# Allegro board Single PMT Data AcquisitionV_3P3.brd (continued)
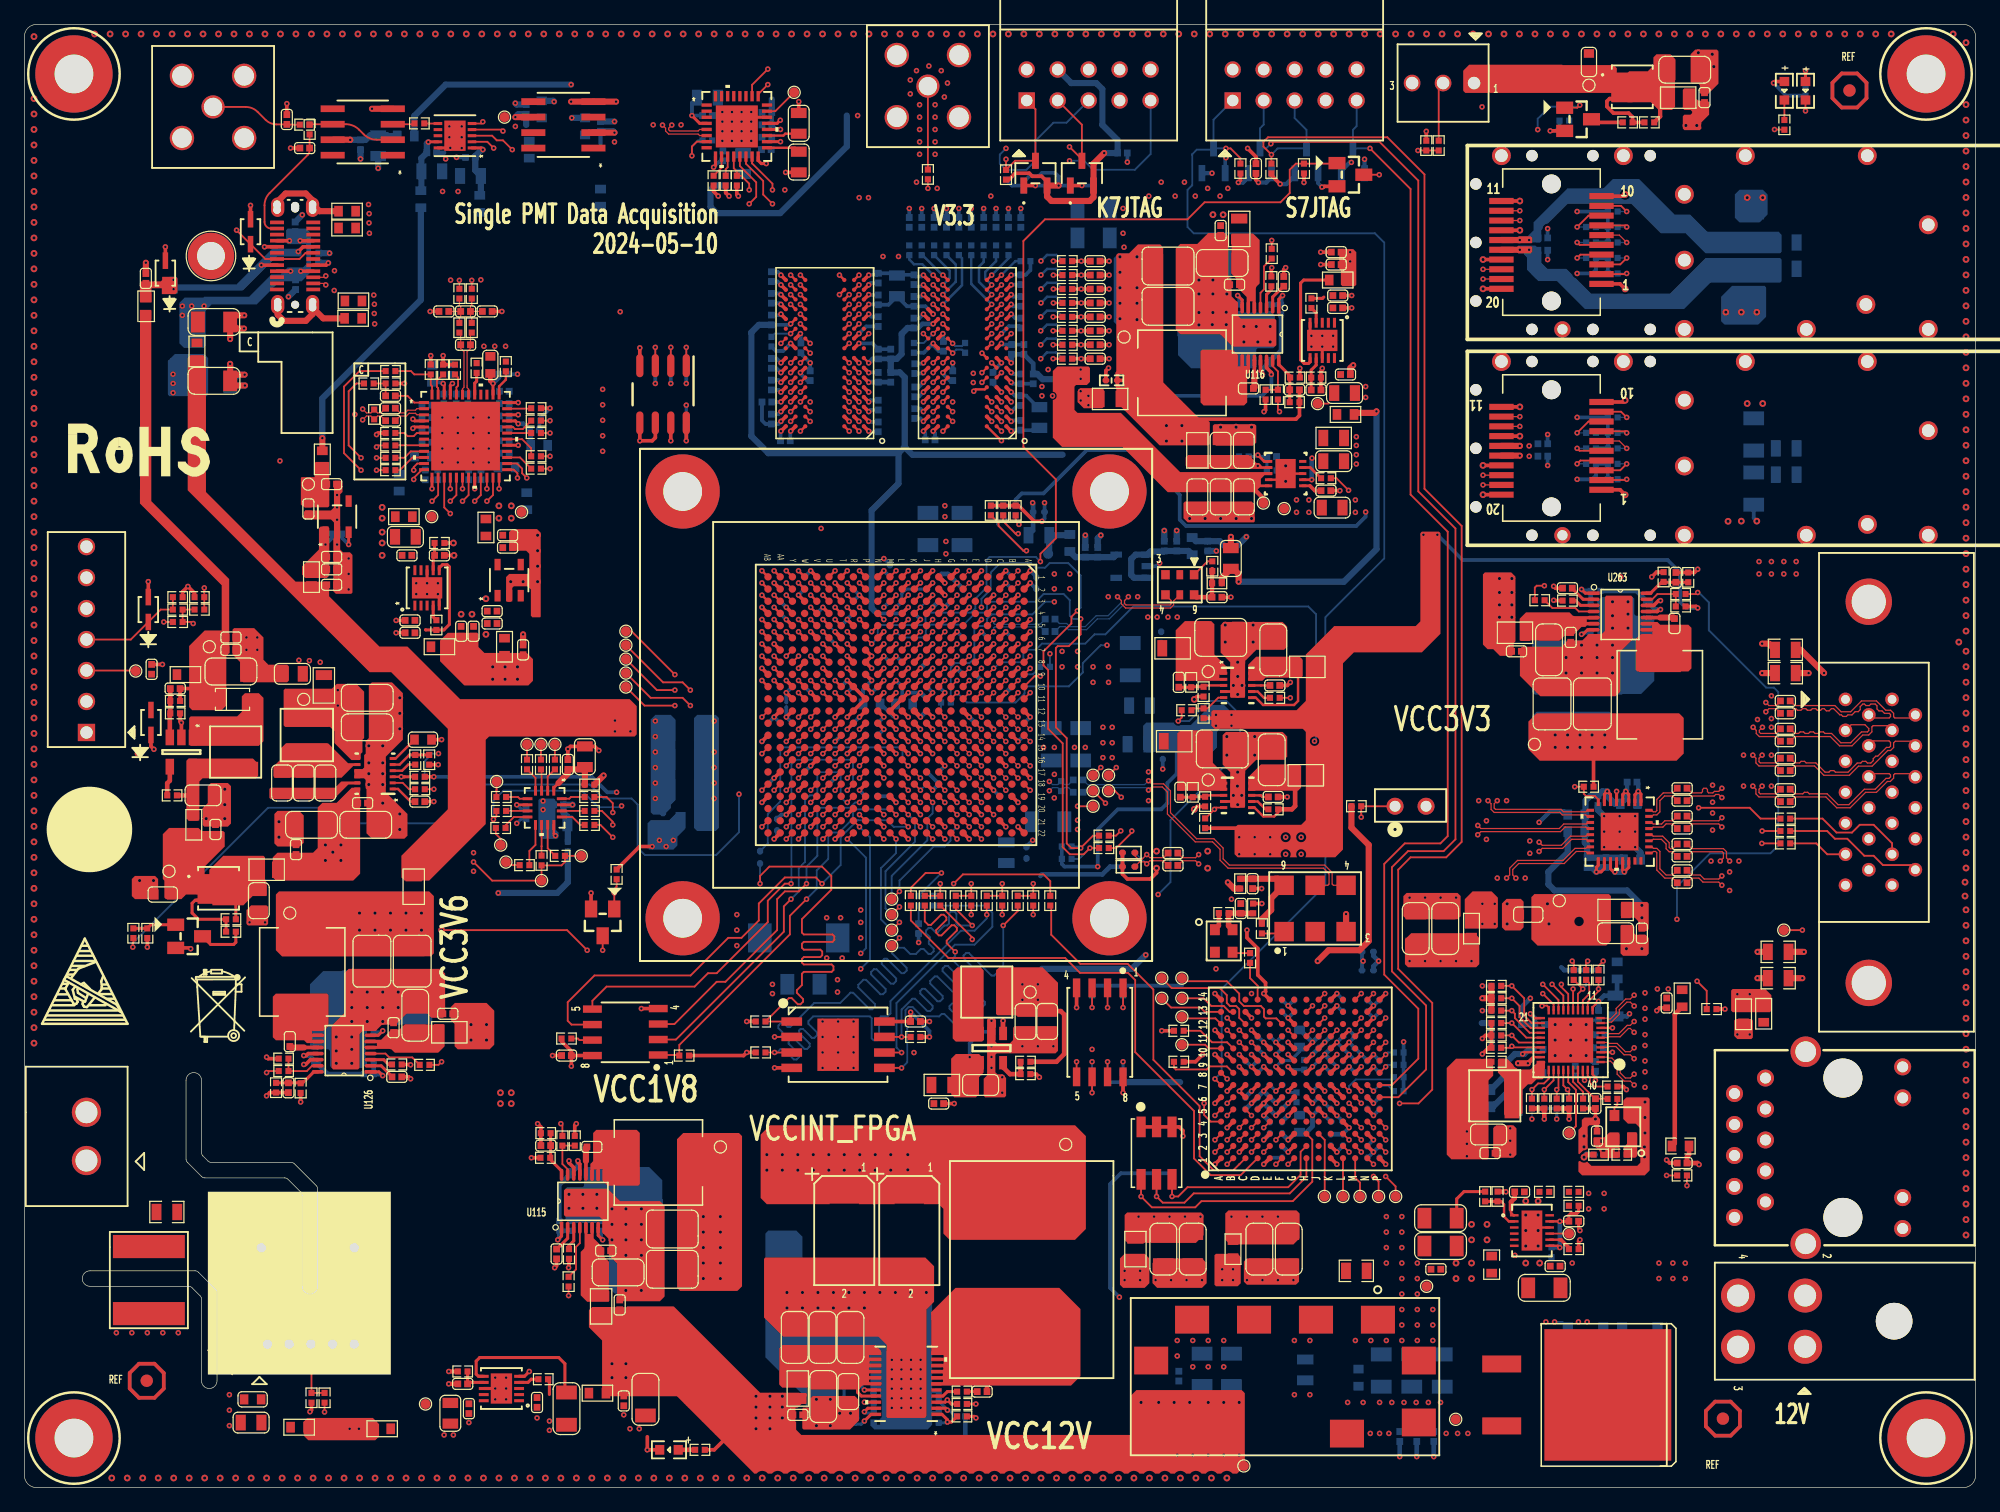
[diagram p0: board, top side]
## Routing (per net, layer and track width the routed paths; a pad name or vN(x,y) marks a point on that pad's centre or on a via; arc(x,y) is an arc through that point) (continued)
TIMING_SPI_CSN_N: length 80.4
  TOP w0.102: v1(142.52,62.36) 142.27,62.1 142.27,61.95 142.37,61.85 143.62,61.85 C2454.2 ; U1.F16 v1(77.48,59.19)
  ART08 w0.102: v1(142.52,62.36) 142.34,62.18 142.34,61.85 141.86,61.37 141.22,61.37 139.3,59.45 133.68,59.45 133.41,59.18 132.57,59.18 132.3,59.45 131.65,59.45 131.38,59.18 125.28,59.18 121.01,63.45 103.98,63.45 102.36,65.06 102.36,66.35 100.57,68.15 99.01,68.15 97.31,66.45 85.89,66.45 83.91,64.47 83.47,64.47 83.36,64.57 79.86,64.57 79.2,63.91 78.63,63.91 78.08,63.36 78.08,63.32 78.08,63.31 78.08,59.86 77.81,59.59 77.58,59.59 77.48,59.49 v1(77.48,59.19)
TIMING_SPI_CSN_P: length 80.2
  TOP w0.102: v1(141.76,62.36) 142.01,62.1 142.01,61.85 142.26,61.59 143.62,61.59 C2453.2 ; U1.F15 v1(77.48,60.19)
  ART08 w0.102: v1(77.48,60.19) 77.48,59.9 77.58,59.79 77.72,59.79 77.88,59.95 77.88,63.44 78.55,64.11 79.11,64.11 79.77,64.77 83.36,64.77 83.47,64.87 83.74,64.87 85.72,66.85 97.14,66.85 98.84,68.55 100.74,68.55 102.77,66.52 102.77,65.23 104.15,63.86 121.18,63.86 125.45,59.59 131.21,59.59 131.48,59.86 132.47,59.86 132.74,59.59 133.25,59.59 133.51,59.86 139.13,59.86 141.06,61.78 141.69,61.78 141.94,62.02 141.94,62.18 v1(141.76,62.36)
TIMING_SPI_MISO_N: length 76.2
  TOP w0.102: C2458.2 143.62,56.9 142.34,56.9 142.24,57 142.24,57.28 v1(142.49,57.53) ; U1.B13 v1(81.48,62.19)
  ART08 w0.102: v1(81.48,62.19) 81.18,62.19 81.08,62.29 81.08,62.44 81.24,62.6 83.41,62.6 83.88,62.13 87.15,62.13 88.29,63.27 94.97,63.27 97.69,60.55 102.07,60.55 103.34,59.28 120.42,59.28 127.49,52.21 127.49,50.76 128.59,49.66 133.96,49.66 135.26,50.95 138.99,52.83 139,52.83 142.32,56.15 142.32,57.35 v1(142.49,57.53)
TIMING_SPI_MISO_P: length 77.7
  TOP w0.102: C2457.2 143.62,56.64 142.24,56.64 141.99,56.89 141.99,57.28 v1(141.73,57.53) ; U1.C13 v1(80.48,62.19)
  ART08 w0.102: v1(80.48,62.19) 80.77,62.19 80.88,62.29 80.88,62.52 81.15,62.8 83.78,62.8 84.05,62.53 86.98,62.53 88.12,63.68 89.15,63.68 89.25,63.78 89.56,63.78 89.66,63.68 89.96,63.68 90.07,63.78 90.37,63.78 90.47,63.68 90.78,63.68 90.88,63.78 91.18,63.78 91.28,63.68 95.14,63.68 97.86,60.96 98.73,60.96 98.87,61.1 99.14,61.1 99.28,60.96 99.54,60.96 99.68,61.1 99.95,61.1 100.09,60.96 100.36,60.96 100.5,61.1 100.76,61.1 100.9,60.96 101.17,60.96 101.31,61.1 101.57,61.1 101.72,60.96 102.23,60.96 103.5,59.69 103.95,59.69 104.12,59.85 104.36,59.85 104.52,59.69 104.77,59.69 104.93,59.85 105.17,59.85 105.33,59.69 105.58,59.69 105.74,59.85 105.98,59.85 106.15,59.69 106.39,59.69 106.55,59.85 106.8,59.85 106.96,59.69 107.2,59.69 107.37,59.85 107.61,59.85 107.77,59.69 108.02,59.69 108.18,59.85 108.42,59.85 108.59,59.69 120.59,59.69 127.9,52.38 127.9,50.93 128.76,50.06 133.79,50.06 135.02,51.29 138.76,53.17 141.91,56.32 141.91,57.35 v1(141.73,57.53)
TIMING_SPI_MOSI_N: length 82.2
  TOP w0.102: v1(142.8,63.63) 143.05,63.88 143.62,63.88 C2452.2 ; U1.G16 v1(76.48,59.19)
  ART08 w0.102: v1(76.48,59.19) 76.48,59.49 76.58,59.59 76.81,59.59 77.08,59.87 77.08,63.46 78.19,64.57 78.74,64.57 79.08,64.91 79.08,65.36 79.31,65.59 82.88,65.59 82.96,65.51 83.44,65.51 84.61,66.67 84.61,67.45 84.89,67.73 96.05,67.73 98.17,69.85 102.5,69.85 107.08,65.28 111,65.28 111.28,65.55 111.92,65.55 112.19,65.28 113.04,65.28 113.31,65.55 113.95,65.55 114.22,65.28 116.39,65.28 116.64,65.53 117.42,65.53 117.67,65.28 121.98,65.28 123.38,63.88 128.71,63.88 130.15,62.44 130.15,61.43 130.74,60.83 137.54,60.83 140.46,63.75 142.67,63.75 v1(142.8,63.63)
TIMING_SPI_MOSI_P: length 82.3
  TOP w0.102: v1(142.8,64.39) 143.05,64.14 143.62,64.14 C2451.2 ; U1.G15 v1(76.48,60.19)
  ART08 w0.102: v1(76.48,60.19) 76.48,59.9 76.58,59.79 76.72,59.79 76.88,59.95 76.88,63.55 78.11,64.77 78.66,64.77 78.88,64.99 78.88,65.44 79.23,65.79 82.83,65.79 82.96,65.91 83.27,65.91 84.2,66.84 84.2,67.61 84.72,68.13 95.88,68.13 98,70.26 102.67,70.26 107.24,65.68 110.84,65.68 111.11,65.96 112.09,65.96 112.36,65.68 112.87,65.68 113.14,65.96 114.12,65.96 114.39,65.68 116.22,65.68 116.47,65.94 117.59,65.94 117.84,65.68 122.15,65.68 123.55,64.29 128.88,64.29 130.56,62.61 130.56,61.59 130.91,61.24 137.37,61.24 140.29,64.16 142.57,64.16 v1(142.8,64.39)
TIMING_SYNC_REFCLK_N: length 22.8
  TOP w0.102: U1.E18 v1(78.48,57.19) ; R2160.1 91.45,51.32 91.87,51.32 v1(92.03,51.16) 92.29,51.41 93.4,51.41 C939.2
  ART08 w0.102: v1(92.03,51.16) 92.03,51.34 91.97,51.41 91.25,51.41 91.12,51.29 90.84,51.29 90.71,51.41 90.43,51.41 90.31,51.29 90.03,51.29 89.9,51.41 87.78,51.41 87.62,51.25 87.38,51.25 87.22,51.41 86.97,51.41 86.81,51.25 86.56,51.25 86.41,51.41 85.96,51.41 81.98,55.39 81.28,55.39 80.34,56.33 80.2,56.33 79.88,56.65 79.88,57.47 79.76,57.59 78.58,57.59 78.48,57.49 v1(78.48,57.19)
  BOTTOM w0.102: R2160.1 91.54,51.41 91.78,51.41 v1(92.03,51.16)
TIMING_SYNC_REFCLK_P: length 22.4
  TOP w0.102: U1.E17 v1(78.48,58.19) ; R2159.1 91.06,51.82 91.35,51.52 91.64,51.52 v1(92.03,51.92) 92.29,51.66 93.4,51.66 C940.2
  ART08 w0.102: v1(78.48,58.19) 78.48,57.9 78.58,57.79 79.84,57.79 80.08,57.55 80.08,56.73 80.28,56.53 80.42,56.53 81.16,55.8 82.15,55.8 86.13,51.82 91.93,51.82 v1(92.03,51.92)
  BOTTOM w0.102: v1(92.03,51.92) 91.78,51.66 91.47,51.66 R2159.1
TMP75_ALERT: length 90.8
  TOP w0.152: U79.3 v1(51.74,93.51) ; U1.P21 v1(68.48,55.19)
  ART06 w0.114: v1(68.58,45.09) 66.1,45.09 62.76,41.74 53.08,41.74 49.2,45.63 49.2,51.01 46.61,53.59 46.61,61.34 46.86,61.59 46.86,90.68 50.16,93.98 51.27,93.98 v1(51.74,93.51)
  ART08 w0.102: v1(68.48,55.19) 67.87,54.59 67.87,53.03 66.22,51.38 66.22,46.87 67.6,45.49 68.17,45.49 v1(68.58,45.09)
  BOTTOM w0.152: R501.2 v1(51.74,93.51)
TMP75_IIC_SCL: length 91.3
  TOP w0.152: U1.P17 v1(68.48,58.19) ; U79.2 v1(53.01,93.51)
  ART06 w0.114: v1(53.01,93.51) 53.01,93.01 52.08,92.08 50.97,92.08 48.51,89.62 48.51,66.04 50.42,64.14 50.42,54.23 49.7,53.51 49.7,45.85 53.35,42.21 62.46,42.21 65.97,45.72 67.94,45.72 v1(68.58,46.35)
  ART08 w0.102: v1(68.58,46.35) 69.08,46.85 69.08,54.17 69.6,54.69 70.79,54.69 71.02,54.91 71.02,55.65 v1(68.48,58.19)
  BOTTOM w0.152: R500.2 v1(53.01,93.51)
TMP75_IIC_SDA: length 89.7
  TOP w0.152: U79.1 v1(54.28,93.51) ; U1.R17 v1(67.48,58.19)
  ART06 w0.114: v1(68.58,47.37) 67.44,46.23 65.72,46.23 62.29,42.8 53.42,42.8 50.34,45.88 50.34,53.39 50.93,53.98 50.93,64.39 49.07,66.25 49.07,89.53 51.1,91.57 52.33,91.57 v1(54.28,93.51)
  ART08 w0.102: v1(68.58,47.37) 66.5,49.45 66.5,51.18 68.87,53.55 68.87,56.36 68.58,56.64 68.33,56.64 68.01,56.96 68.01,57.66 v1(67.48,58.19)
  BOTTOM w0.152: R499.2 v1(54.28,93.51)
USER_SMA_CLOCK: length 108.8
  TOP w0.152: R993.2 v1(74.09,106.55) ; U1.L19 v1(72.48,56.19)
  ART08 w0.102: v1(72.48,56.19) 72.9,56.61 72.9,57.53 72.77,57.66 69.6,57.66 68.46,58.8 66.29,58.8 66.04,58.55 66.04,54.2 65.44,53.59 60.83,53.59 58.67,51.44 48.62,51.44 47.52,52.53 47.52,57.58 48.06,58.12 48.06,60.38 47.37,61.06 47.37,84.23 48.11,84.96 48.11,94.67 56.87,103.44 64.57,103.44 67.69,106.55 v1(74.09,106.55)
VCOM: length 1.9
  TOP w0.254: v1(34.34,90.55) 34.43,90.46 U102.46
  BOTTOM w0.305: C905.1 34.25,90.64 v1(34.34,90.55)
VREF: length 2.8
  TOP w0.254: U102.38 v1(38.43,90.55)
  TOP w0.381: C908.1 38.21,90.77 v1(38.43,90.55)
  BOTTOM w0.381: v1(38.43,90.55) 38.89,91.02 C906.2
VREG: length 16.8
  TOP w0.254: U113.18 v1(68.88,8.01) ; R1041.1 v1(78.03,6.86)
  ART03 w0.102: v1(78.03,6.86) 77.14,7.75 75.48,7.75 73.71,5.97 70.92,5.97 v1(68.88,8.01)
  BOTTOM w0.254: v1(68.88,8.01) 68.69,8.2 C1158.1 67.99,8.89 67.21,8.11 67.21,6.86 R1050.1
VRN_33: length 1.4
  TOP w0.381: U1.T6 v1(66.48,70.19)
  BOTTOM w0.152: v1(66.48,70.19) 65.98,70.69 R2140.2
VRN_34: length 1.4
  TOP w0.152: U1.K4 v1(73.48,72.19)
  BOTTOM w0.152: v1(73.48,72.19) 73.97,72.68 R2142.2
VRP_33: length 1.4
  TOP w0.152: U1.T14 v1(66.48,61.19)
  BOTTOM w0.356: v1(66.48,61.19) 66.48,61.19 R2141.1
VRP_34: length 1.4
  TOP w0.152: U1.V5 v1(64.48,71.19)
  BOTTOM w0.152: R2143.1 64.98,70.69 v1(64.48,71.19)
VTTDDR: length 14.1
  TOP w0.229: U23.5 101.25,82.16
  TOP w0.305: R465.1 v1(86.66,99.44) C546.1 ; R479.1 v1(86.66,97.16) C551.1 ; R482.1 v1(86.66,92.58) C522.1 ; C525.1 v1(86.66,100.58) R467.1 ; C553.1 v1(86.64,93.73) R484.1 ; C555.1 v1(86.64,96.01) R478.1 ; C550.1 v1(86.66,98.3) R463.1 ; C554.1 v1(86.64,94.87) R476.1
  TOP w0.356: TP48.1 101.6,81.13 100.84,81.89
  vias: v1(86.61,91.69) v1(86.61,90.93)
VTTVREF: length 88.9
  TOP w0.203: U75.M8 v1(62.83,95.44) ; U76.H1 v1(80.92,92.24) ; U75.H1 v1(69.23,92.24)
  TOP w0.229: 105.42,82.16 U23.6
  TOP w0.305: U1.Y11 v1(62.48,65.19) ; U1.Y12 v1(62.48,63.19) ; 105.42,82.16 105.81,81.76 C97.1 ; U1.L4 v1(72.48,72.19) ; U1.Y4 v1(62.48,72.19) ; U76.M8 v1(74.52,95.44)
  BOTTOM w0.305: C462.1 62.95,62.72 v1(62.48,63.19) 62.48,64 62.48,64.01 ; v1(62.83,95.44) 62.75,95.36 C507.1 ; C492.1 62,72.66 v1(62.48,72.19) ; 62.48,64.39 62.48,64.4 v1(62.48,65.19) 62.98,65.7 C463.1 ; 69.72,71.88 69.91,71.69 C491.1 72.01,71.72 v1(72.48,72.19)
  BOTTOM w0.381: v1(69.23,92.24) 69.56,92.56 C506.1 C520.1 ; C544.2 82.72,92.18 C545.1 C573.1 80.95,92.27 v1(80.92,92.24) ; C563.1 73.31,95.1 73.64,95.44 v1(74.52,95.44)
  BOTTOM w0.508: 71.67,84.84 71.67,82.34 69.47,80.14 69.47,72.14 69.72,71.88 ; 71.67,84.84 72.18,85.34 ; 71.67,84.84 61.01,84.84 59.61,86.23 59.61,94.74 60.23,95.36 C507.1 ; 72.18,85.34 72.82,84.71 85.14,84.71 ; 72.18,85.34 72.18,91.06 71.78,91.46 C187.2 C520.1 71.53,92.56 71.93,92.96 71.93,94.61 72.42,95.1 C563.1 ; C544.2 83.06,91.33 83.49,90.9 84.53,90.9 85.52,89.92
  vias: v1(104.31,81) v1(104.31,79.98) v1(105.33,81) v1(105.33,79.98)
XADC_AGND: length 7
  TOP w0.305: U1.K11 v1(73.48,65.19) ; v1(72.48,65.19) U1.L11 U1.M12 v1(71.48,63.19)
  BOTTOM w0.305: v1(71.48,63.19) 71.42,63.25 71.25,63.25 70.23,64.26 L3.2 ; v1(72.48,65.19) v1(73.48,65.19)
  BOTTOM w0.381: C2.2 73.98,64.69 v1(73.48,65.19)
XADC_VCC: length 2.8
  TOP w0.381: U1.K12 v1(73.48,63.19)
  BOTTOM w0.381: C2.1 73.98,63.69 v1(73.48,63.19) 72.84,63.83 L5.1
$7N578: length 1.5
  BOTTOM w0.152: 73.33,47.73 C217.1
$7N830: length 36
  TOP w0.152: R396.1 144.3,111.38 v1(143.51,111.38) ; Q15.3 v1(111.1,107.67)
  ART03 w0.102: v1(111.1,107.67) 115.42,107.67 118.24,110.49 142.62,110.49 v1(143.51,111.38)
$7N832: length 1.6
  TOP w0.152: R396.2 DS10.2
$45N24: length 3.8
  TOP w0.229: v1(101.14,84.68) 101.66,84.16 U23.1
  BOTTOM w0.254: R221.2 101.01,84.56 v1(101.14,84.68) 101.27,84.56 C271.1 R219.1
$45N300: length 224.6
  TOP w0.152: DS18.2 v1(146.05,112.9) ; Q10.3 v1(47.42,44.07)
  ART03 w0.102: v1(47.42,44.07) 62.91,28.57 72.56,28.57 74.19,26.95 90.46,26.95 94.78,22.63 105.82,22.63 106.9,23.71 113.71,23.71 115.9,25.91 133.48,25.91 134.49,24.89 134.96,24.89 135.07,24.99 135.07,27.36 133.87,28.56 133.87,31.69 133.17,32.38 132.08,32.38 131.83,32.13 131.06,32.13 130.68,32.51 130.68,33.15 131.13,33.59 131.13,40.7 131.95,41.53 135.51,41.53 136.14,40.89 138.05,40.89 138.3,41.15 146.18,41.15 150.37,45.34 156.08,45.34 156.59,45.85 156.59,74.68 157.86,75.95 157.86,108.33 155.7,110.49 148.46,110.49 v1(146.05,112.9)
$45N301: length 2.1
  TOP w0.254: DS18.1 v1(146.05,116.2)
  BOTTOM w0.254: v1(146.05,116.2) R87.2
N290800: length 6.8
  TOP w0.152: J31.1 R993.1
N319534: length 2.2
  TOP w0.152: U75.L8 v1(62.83,94.64)
  BOTTOM w0.152: R458.1 61.52,94.64 v1(62.83,94.64)
N335210: length 2.5
  TOP w0.152: U76.L8 v1(74.52,94.64)
  BOTTOM w0.152: R490.1 73.75,93.87 v1(74.52,94.64)
N929679: length 2.2
  TOP w0.152: U89.6 v1(87.55,32.38)
  BOTTOM w0.152: R670.1 v1(87.55,32.38)
N932083: length 1.5
  TOP w0.152: R669.1 99.14,43.83 U90.3
N932121: length 3.5
  TOP w0.457: U90.4 98.75,46.08 R986.2 99.72,47.12 C800.1 L55.1
N932133: length 1.5
  TOP w0.381: U90.1 97.94,46.08 R986.1
N932396: length 2.1
  TOP w0.305: U88.G8 v1(103.63,34.52)
  BOTTOM w0.254: R665.1 103.87,34.27 v1(103.63,34.52)
N932403: length 1.4
  TOP w0.305: U88.H7 v1(105.63,32.52)
  BOTTOM w0.254: R666.1 106.12,33.01 v1(105.63,32.52)
N1107900: length 3.5
  TOP w0.381: U88.F8 v1(102.63,34.52)
  BOTTOM w0.254: L40.1 104.57,35.76 103.83,35.03 103.16,35.03 C815.1 103.09,34.99 v1(102.63,34.52)
N1108562: length 1.4
  TOP w0.152: U88.P8 v1(111.63,34.52)
  BOTTOM w0.152: v1(111.63,34.52) 111.78,34.67 R784.2
N1108569: length 5.1
  TOP w0.152: U88.L7 v1(108.63,32.52)
  BOTTOM w0.152: R785.2 112.12,33.48 109.17,33.48 108.63,32.93 v1(108.63,32.52)
N1108576: length 2.8
  TOP w0.152: U88.N7 v1(110.63,32.52)
  BOTTOM w0.152: R786.1 111.84,32.97 111.07,32.97 v1(110.63,32.52)
N1108697: length 1.4
  TOP w0.152: U88.P9 v1(111.63,35.52)
  BOTTOM w0.152: R787.2 111.79,35.69 v1(111.63,35.52)
N1108945: length 5.7
  TOP w0.152: U88.B8 98.6,34.54 97.2,34.54 96.95,34.29 94.41,34.29 94.26,34.44 R788.1
N1143708: length 1.5
  TOP w0.152: R858.1 130.62,31.39 130.39,31.15 U94.3
N1146233: length 8.9
  TOP w0.381: v1(137.33,26.49) 137.2,26.62 C838.2 136.33,27.14 136.5,27.32 R833.1
  ART08 w0.508: J6.1 138.86,22.16 137.33,23.7 v1(137.33,26.49)
N1263443: length 3.1
  TOP w0.102: C2011.1 36.58,96.91 36.69,97.02 R965.2 ; C2011.1 36.58,96.06 36.69,95.95 L163.1 ; C2011.1 36.58,96.46 37.55,96.46 C2960.2
N1263535: length 3.1
  TOP w0.102: C2011.2 35.78,96.06 35.67,95.95 L164.1 ; C2011.2 34.91,96.46 C2961.2 ; C2011.2 35.78,96.86 35.67,96.97 35.67,97.51 R966.2
N16645850:
  vias: v1(104.14,12.06) v1(105.41,12.06)
N16650422: length 1.7
  BOTTOM w0.152: v1(125.48,13.59) 126.11,13.59 126.57,13.13 R2130.2
  vias: v1(124.76,13.59) v1(127.43,13.59) v1(128.14,13.59)
N16650464: length 7.2
  TOP w0.203: U112.11 v1(125.9,21.83) ; v1(125.9,19.68) 125.76,19.83 U112.7
  TOP w0.254: R1039.2 127.45,22.63 127.29,22.48 126.8,22.48 126.65,22.33 C1146.2 ; C1146.2 126.65,21.84 C1146.2 ; C1146.2 126.64,21.83 v1(125.9,21.83)
  BOTTOM w0.381: R1038.2 125.88,19.7 v1(125.9,19.68) v1(125.9,21.83)
N16650588: length 2
  TOP w0.203: U112.8 125.87,20.33 125.88,20.32
  TOP w0.305: 125.88,20.32 126.01,20.32 126.65,19.68 R1033.2 126.65,19.56
N16650778: length 2.2
  TOP w0.203: 121.9,22.8 121.9,22.54 122.11,22.33 U112.1
  TOP w0.381: C1151.1 122.2,23.73 121.9,23.43 121.9,22.8
N16650844: length 3.7
  TOP w0.203: 121.08,23.48 121.33,23.22 121.33,22.23 121.72,21.83 U112.2
  TOP w0.254: 121.08,23.48 R1063.1 R1040.2
N16650852: length 1.6
  TOP w0.152: U112.9 126.66,20.83 TP40.1
N16671344: length 2
  TOP w0.254: U113.19 68.64,7.51 68.32,7.82 68.32,8.18
N16672317: length 1.7
  TOP w0.254: U113.20 v1(68.88,7.01)
  BOTTOM w0.254: R1044.2 68.92,6.97 v1(68.88,7.01)
N16672324: length 1.9
  TOP w0.254: v1(68.88,6.22) 69.17,6.51 U113.21
  BOTTOM w0.254: R1043.2 68.99,6.12 v1(68.88,6.22)
N16672331: length 4
  TOP w0.254: v1(68.88,5.46) 69.43,6.01 U113.22
  BOTTOM w0.254: v1(68.88,5.46) 68.63,5.21 68.14,5.21 R1042.2 68.35,5.67 68.35,6.52 R1050.2
N16672704: length 0.7
  TOP w0.381: C1159.1 78.93,8.6
N16673248: length 3
  TOP w0.254: R1047.1 76.02,5.38 v1(75.69,5.38) 75.69,5.56 75.24,6.01 U113.1
  BOTTOM w0.254: 74.98,5.32 75.63,5.32 v1(75.69,5.38)
N16673267: length 1.8
  TOP w0.254: R1049.1 75.68,7.87 75.32,7.51 U113.4
N16673329: length 0.9
  TOP w0.254: R1049.2 C1159.2
N16673629: length 2.9
  TOP w0.254: U113.2 75.53,6.51 v1(75.69,6.35)
  BOTTOM w0.254: 76.36,5.84 R1045.2 75.85,6.35 v1(75.69,6.35) 75.69,6.38 R1048.1
N16716359: length 4.4
  TOP w0.152: R1067.2 101.65,100.16 101.65,98.27 101.36,97.98 U116.4
N16716559: length 6.8
  TOP w0.305: U116.13 101.36,91.56 101.49,91.43 101.49,91.32 v1(101.52,91.29)
  BOTTOM w0.381: v1(101.52,91.29) 101.52,91.73 C1189.1 103.04,93.25 R1071.2
N16716571: length 2.1
  TOP w0.254: C1190.1 103.24,98.52 102.36,97.64 U116.2
N16716663: length 2.9
  TOP w0.254: U116.1 102.86,97.45 v1(103.17,97.76)
  BOTTOM w0.381: R1070.2 R1071.1 103.04,97.64 v1(103.17,97.76)
N16716707: length 2.3
  TOP w0.305: 100.86,91.3 U116.12
  TOP w0.508: C1191.2 100.86,90.23 100.86,91.3
N16716803: length 3.8
  TOP w0.254: R1073.1 103.79,91.03 R1073.1 ; R1073.1 103.79,91.18 102.86,92.11 U116.16 ; R1073.1 103.76,91 C1192.1 R1072.1
N16717075: length 1.9
  TOP w0.254: R1068.1 102.25,98.24 101.86,97.85 U116.3
N16718397: length 3.6
  TOP w0.152: U116.15 102.36,91.97 102.79,91.54 R1075.2 R1074.2
N16720636: length 2.2
  BOTTOM w0.254: v1(101.14,83.79) 99.82,83.79 99.6,84.02 R221.1
N16720676: length 2.5
  TOP w0.229: U23.7 v1(105.56,82.66)
  BOTTOM w0.381: v1(105.58,84.43) 105.56,84.4 v1(105.56,82.66)
N16721374: length 1.9
  TOP w0.229: R459.1 106.33,82.78 105.45,83.66 U23.9
N17066271: length 4.7
  TOP w0.152: R657.1 96.44,37.47 97.38,36.53 98.62,36.53 U88.B10
N17765267: length 1.9
  TOP w0.254: v1(99.49,97.76) 99.86,97.39 U116.7
  BOTTOM w0.305: v1(99.49,97.76) 99.61,97.64 R1069.2
N21090058: length 7.7
  TOP w0.508: R984.2 101.47,46.61 102.23,47.37 102.23,48.33 U103.6 102.77,49.93 C930.2 L54.1
N21090105: length 1.9
  TOP w0.152: R984.1 103.15,45.45 U103.1
N21330124: length 4.9
  TOP w0.152: R1929.1 115.97,114.83 J61.2
N21585791: length 2.4
  TOP w0.203: U236.6 30.44,59.8 C2087.1
N21585799: length 2.3
  TOP w0.203: C2088.2 31.67,56.26 30.63,57.3 U236.1
N21585885:
  vias: v1(25.7,65.41) v1(25.7,64.14)
N21585988: length 3.3
  TOP w0.203: 31.56,60.09 30.77,59.3 U236.5
  TOP w0.254: R1883.1 R1882.2 31.56,60.09
N21585992: length 2.1
  TOP w0.203: U236.4 30.97,58.8 31.47,59.29 R1882.1
N21586050: length 2
  TOP w0.152: U236.2 31.02,57.8 31.54,57.28 R1884.2
N21586103: length 3
  TOP w0.203: v1(30.9,58.3) U236.3
  TOP w0.254: v1(30.9,58.3) 31.17,58.3 31.17,58.29 R1885.2
  BOTTOM w0.152: v1(30.9,58.3) 32.03,58.3 R1885.2
N21623241: length 2.1
  TOP w0.203: U102.37 38.93,90.31 39.48,90.87 R971.1
N21623247: length 1.9
  TOP w0.152: U102.47 33.93,90.17 33.83,90.27 33.83,90.79 R981.1
N21623273: length 2.4
  TOP w0.152: R972.1 40.64,84.48 U102.27
N21623348: length 1.8
  TOP w0.254: R980.2 37.08,90.73 36.93,90.57 U102.41
N21623350: length 1.8
  TOP w0.152: R968.2 35.56,91.04 35.56,90.37 35.43,90.24 U102.44
N21623352: length 2
  TOP w0.152: U102.35 41.52,88.48 R967.2
N21623393: length 2
  TOP w0.152: C909.1 29.62,89.53 29.62,90.55 R974.1 R1932.2
N21623397: length 2.6
  TOP w0.152: U102.6 32.17,86.48 31.92,86.23 31.42,86.23 31.16,86.49 30.42,86.49
N21623415: length 2
  TOP w0.152: R977.2 41.55,86.48 U102.31
N21623482: length 4.7
  TOP w0.152: 30.42,91.57 31.7,91.57 31.97,91.29 R975.1 33.32,90.43 33.43,90.32 U102.48
N21623490: length 2.3
  TOP w0.152: U102.32 40.06,86.98 40.23,86.82 40.87,86.82 R979.2
N21623500: length 2.9
  TOP w0.152: U102.30 40.81,85.98 41.56,85.24 R978.2
N21623510: length 2.7
  TOP w0.102: U102.3 32.19,87.98 32.07,88.11 31.55,88.11 31.33,87.88 30.8,87.88 30.42,87.5
N21623544: length 2.7
  TOP w0.254: U102.20 v1(36.93,81.92) ; U102.29 v1(40.49,85.48) ; U102.13 v1(33.43,81.92)
N21623546: length 3.5
  TOP w0.254: U102.33 40.26,87.48 v1(40.49,87.25)
  BOTTOM w0.381: v1(40.49,87.25) 40.92,87.25 C907.2 41.51,86.66 41.51,85.47
N21623558: length 2.7
  TOP w0.102: 30.42,88.52 30.8,88.14 31.22,88.14 31.45,88.36 32.07,88.36 32.19,88.48 U102.2
N21623659: length 2.4
  TOP w0.152: 30.42,85.47 30.43,85.48 U102.8
N21623683: length 2.8
  TOP w0.152: U102.10 31.82,84.48 30.78,83.44 30.42,83.44
N21623693: length 2.6
  TOP w0.152: 30.42,89.53 31.42,89.53 31.97,88.98 U102.1
N21623731: length 4.8
  TOP w0.254: v1(35.1,90.55) 34.93,90.38 U102.45 ; U102.5 31.97,86.98 v1(31.86,86.87) ; U102.36 v1(40.49,88.98) ; U102.34 v1(40.49,87.98) ; v1(31.86,87.63) 32.01,87.48 U102.4
N21623776: length 2.6
  TOP w0.152: U102.9 31.69,84.98 31.16,84.45 30.42,84.45
N21721383: length 2.4
  TOP w0.381: R2037.2 11.71,57.77 11.92,57.98 U261.4
N21721913: length 1.3
  TOP w0.381: R2037.1 13.8,56.77
N21722653: length 4
  TOP w0.381: C2384.1 R2038.1 R2039.1 11.92,63.46 U261.3
N21859607:
  vias: v1(140.46,37.16) v1(141.48,37.16)
N21904635: length 17.2
  TOP w0.305: R835.2 v1(139.45,39.24)
  ART03 w0.305: J6.14 149.28,39.24 v1(139.45,39.24)
N21904672: length 23.9
  TOP w0.152: R834.2 v1(136.33,24.77)
  ART08 w0.102: J6.11 150.24,25.02 147.32,25.02 143.38,21.08 138.81,21.08 136.33,23.56 v1(136.33,24.77)
N21904866: length 3.3
  TOP w0.152: TP92.1 96.82,36.32 97.12,36.02 U88.A10
N21904868: length 3.5
  TOP w0.152: U88.A12 97.66,38.48 95.04,38.48 TP93.1
N21904877: length 5.3
  TOP w0.152: TP94.1 94.03,39.37 96.44,39.37 96.79,39.02 U88.A13
N21904886: length 4.7
  TOP w0.152: TP95.1 96.69,40.13 97.33,39.5 98.35,39.5 98.82,39.02 U88.B13
N21904895: length 9.2
  TOP w0.152: U88.C12 99.61,38.53 99.61,39.24 99.36,39.5 98.85,39.5 98.6,39.75 98.6,40.39 98.01,40.97 94.08,40.97 TP96.1
N21904904: length 10.5
  TOP w0.152: TP97.1 95.17,41.53 98.6,41.53 99.61,40.51 99.61,39.88 100,39.5 101.39,39.5 101.65,39.24 101.65,38.62 101.79,38.48 102.66,38.48 U88.F12
N21904956: length 3.3
  TOP w0.152: TP90.1 109.52,25.02 109.13,25.41 U88.M1
N21904965: length 5.4
  TOP w0.152: TP91.1 106.63,23.9 106.63,28.52 U88.J3
N21904974: length 3.1
  TOP w0.152: U88.L1 108.13,23.88 TP98.1
N21905005: length 8.8
  TOP w0.152: v1(110.63,25.52) 111.05,25.1 TP100.1 ; U88.L5 v1(108.63,30.52)
  ART08 w0.102: v1(110.63,25.52) 110.15,26 110.15,29.79 110.03,29.91 109.23,29.91 v1(108.63,30.52)
N21905014: length 7.1
  TOP w0.152: v1(111.63,25.52) 112.44,24.7 TP101.1 ; U88.N4 v1(110.63,29.52)
  ART08 w0.102: v1(111.63,25.52) 111.16,25.98 111.16,28.98 v1(110.63,29.52)
N21907439: length 6.9
  TOP w0.2: U93.28 123,35.7 v1(122.86,35.56)
  BOTTOM w0.508: L245.2 121.42,33.8 C846.1 121.42,34.76 122.22,35.56 v1(122.86,35.56) 122.98,35.56 123.36,35.94 C847.1
N21907473: length 3.6
  TOP w0.152: U93.12 128.19,39.83 129.08,40.72 v1(129.08,40.89) R853.1
  BOTTOM w0.102: R853.1 v1(129.08,40.89)
N21907487: length 18.8
  ART03 w0.305: v1(118.28,29.21) 118.54,28.96 123.62,28.96 124.13,29.46 124.13,38.99 123.49,39.62 v1(123.49,40.13)
  BOTTOM w0.381: v1(123.49,40.13) 122.73,39.37 R2048.2
  vias: v1(118.28,28.19) v1(118.28,27.18)
N21907526: length 3.2
  TOP w0.2: v1(123.49,38.86) 123.85,38.5 U93.21
  BOTTOM w0.381: R2048.1 123.83,37.95 C855.1 123.85,38.5 v1(123.49,38.86)
N21907530: length 2.9
  TOP w0.191: U93.38 127.79,33.54 v1(127.94,33.4) ; U93.3 v1(130.22,35.7) ; U93.8 v1(130.22,37.7)
N21907545: length 13.2
  TOP w0.191: v1(129.08,39.88) 128.59,39.39 U93.11 ; U93.40 128.59,33.89 128.82,33.66 v1(128.82,33.4)
  ART03 w0.508: v1(128.82,33.4) 129.33,33.91 129.33,39.62 v1(129.08,39.88)
  BOTTOM w0.381: L243.2 130.6,40.48 C841.1 129.55,40.35 v1(129.08,39.88) C851.1 ; C842.1 v1(128.82,33.4)
N21908077: length 2.7
  TOP w0.152: R844.2 127.81,32.46 126.99,33.28 U93.36
N21908106: length 4.6
  TOP w0.2: U93.29 123.79,35.3 123.67,35.18
  TOP w0.381: v1(123.29,34.8) 123.67,35.18
  TOP w0.508: v1(122.47,34.8) v1(123.29,34.8)
  BOTTOM w0.508: L244.2 120.44,31.24 121.8,32.6 C850.1
N21908108: length 4
  TOP w0.152: U93.31 124.99,33.53 124.61,33.15 124.13,33.15 v1(123.62,32.64) R850.2
  BOTTOM w0.102: R850.2 v1(123.62,32.64)
N21908185: length 5.7
  TOP w0.152: TP20.1 127.22,29.64 127.22,32.62 126.59,33.25 U93.35
N21908350: length 3.8
  TOP w0.152: U93.14 127.39,40.5 v1(127.79,40.89) R855.1
  BOTTOM w0.152: R849.2 128.06,41.17 v1(127.79,40.89)
N21908430: length 2.8
  TOP w0.152: U93.13 127.79,39.96 128.32,40.49 128.32,41.38 R854.1
N21908573: length 2.7
  TOP w0.152: R845.1 128.7,32.89 128.37,33.22 128.37,33.6 128.19,33.78 U93.39
N21912553: length 1.4
  TOP w0.381: R2050.2 DS24.1
N22191137: length 1.8
  TOP w0.152: U98.7 39.51,55.5 R946.1
N22191139: length 1.8
  TOP w0.229: U98.6 v1(40.37,56)
  BOTTOM w0.254: v1(40.37,56) 40.73,55.64 C885.1
N22191143: length 1.9
  TOP w0.152: U98.14 45.94,55.5 R944.1
N22191145: length 2.1
  TOP w0.152: R945.1 45.58,54.35 44.93,55 U98.13
N22191147: length 5.1
  TOP w0.229: 43.79,57.78 43.41,57.4 U98.1
  TOP w0.508: L47.2 45.96,57.67 C882.1 45.77,58.9 C881.1 44.57,58.55 43.79,57.78
N22191209: length 1.8
  TOP w0.152: U98.5 40.61,56.5 40.48,56.64 R934.2
N22191211: length 1.8
  TOP w0.152: U98.3 42.41,58.85 R933.2
N22191234: length 3.5
  TOP w0.152: U98.9 41.91,52.71 41.41,52.21 R937.1
N22191242: length 1.2
  TOP w0.152: TP80.1 39.74,51.05 R937.2
N22191246: length 2.5
  TOP w0.152: U98.10 42.41,52.6 42.41,52.59 R936.1
N22191375: length 4.8
  TOP w0.229: U98.15 v1(44.95,56)
  BOTTOM w0.508: L48.2 44.57,54.44 C884.1 44.53,55.02 44.2,55.35 C883.1 44.94,56 v1(44.95,56)
N22191519: length 1.9
  TOP w0.152: R943.1 44.82,56.64 44.68,56.5 U98.16
N22193584: length 7.2
  TOP w0.152: R2168.1 23.42,111.81 U269.6 26.37,111.81 arc(26.95,111.7) 27.44,111.37 27.82,110.99 arc(28.32,110.66) 28.9,110.54 U269.2
N22223461: length 1.1
  BOTTOM w0.305: R1185.2 25.24,77.89 v1(24.69,77.34)
N22223507: length 2.1
  TOP w0.254: U132.3 v1(26.59,77.34)
  BOTTOM w0.305: v1(26.59,77.34) 26.04,77.89 R1185.1
N22237358: length 3.4
  TOP w0.152: v1(127.55,113.38) 127.34,113.17 Q21.1
  BOTTOM w0.152: v1(127.55,113.38) 127.42,113.25 R1197.1 R1196.1
N22237360: length 4.9
  TOP w0.305: R1198.2 R2129.1 131.87,112.4 131.54,112.73 130.3,112.73 129.77,113.26 129.77,113.69 129.98,113.91 Q20.4
N22237436: length 1.5